# Altium PCB FC_Rev1.0.PcbDoc
Units mm, origin at the board's own origin, x right, y up, seen from the top; angles counter-clockwise.
Board outline 44 x 50 mm, 2 copper layers (Top Layer, Bottom Layer); 79 components, 75 nets, 353 pads, 164 vias.
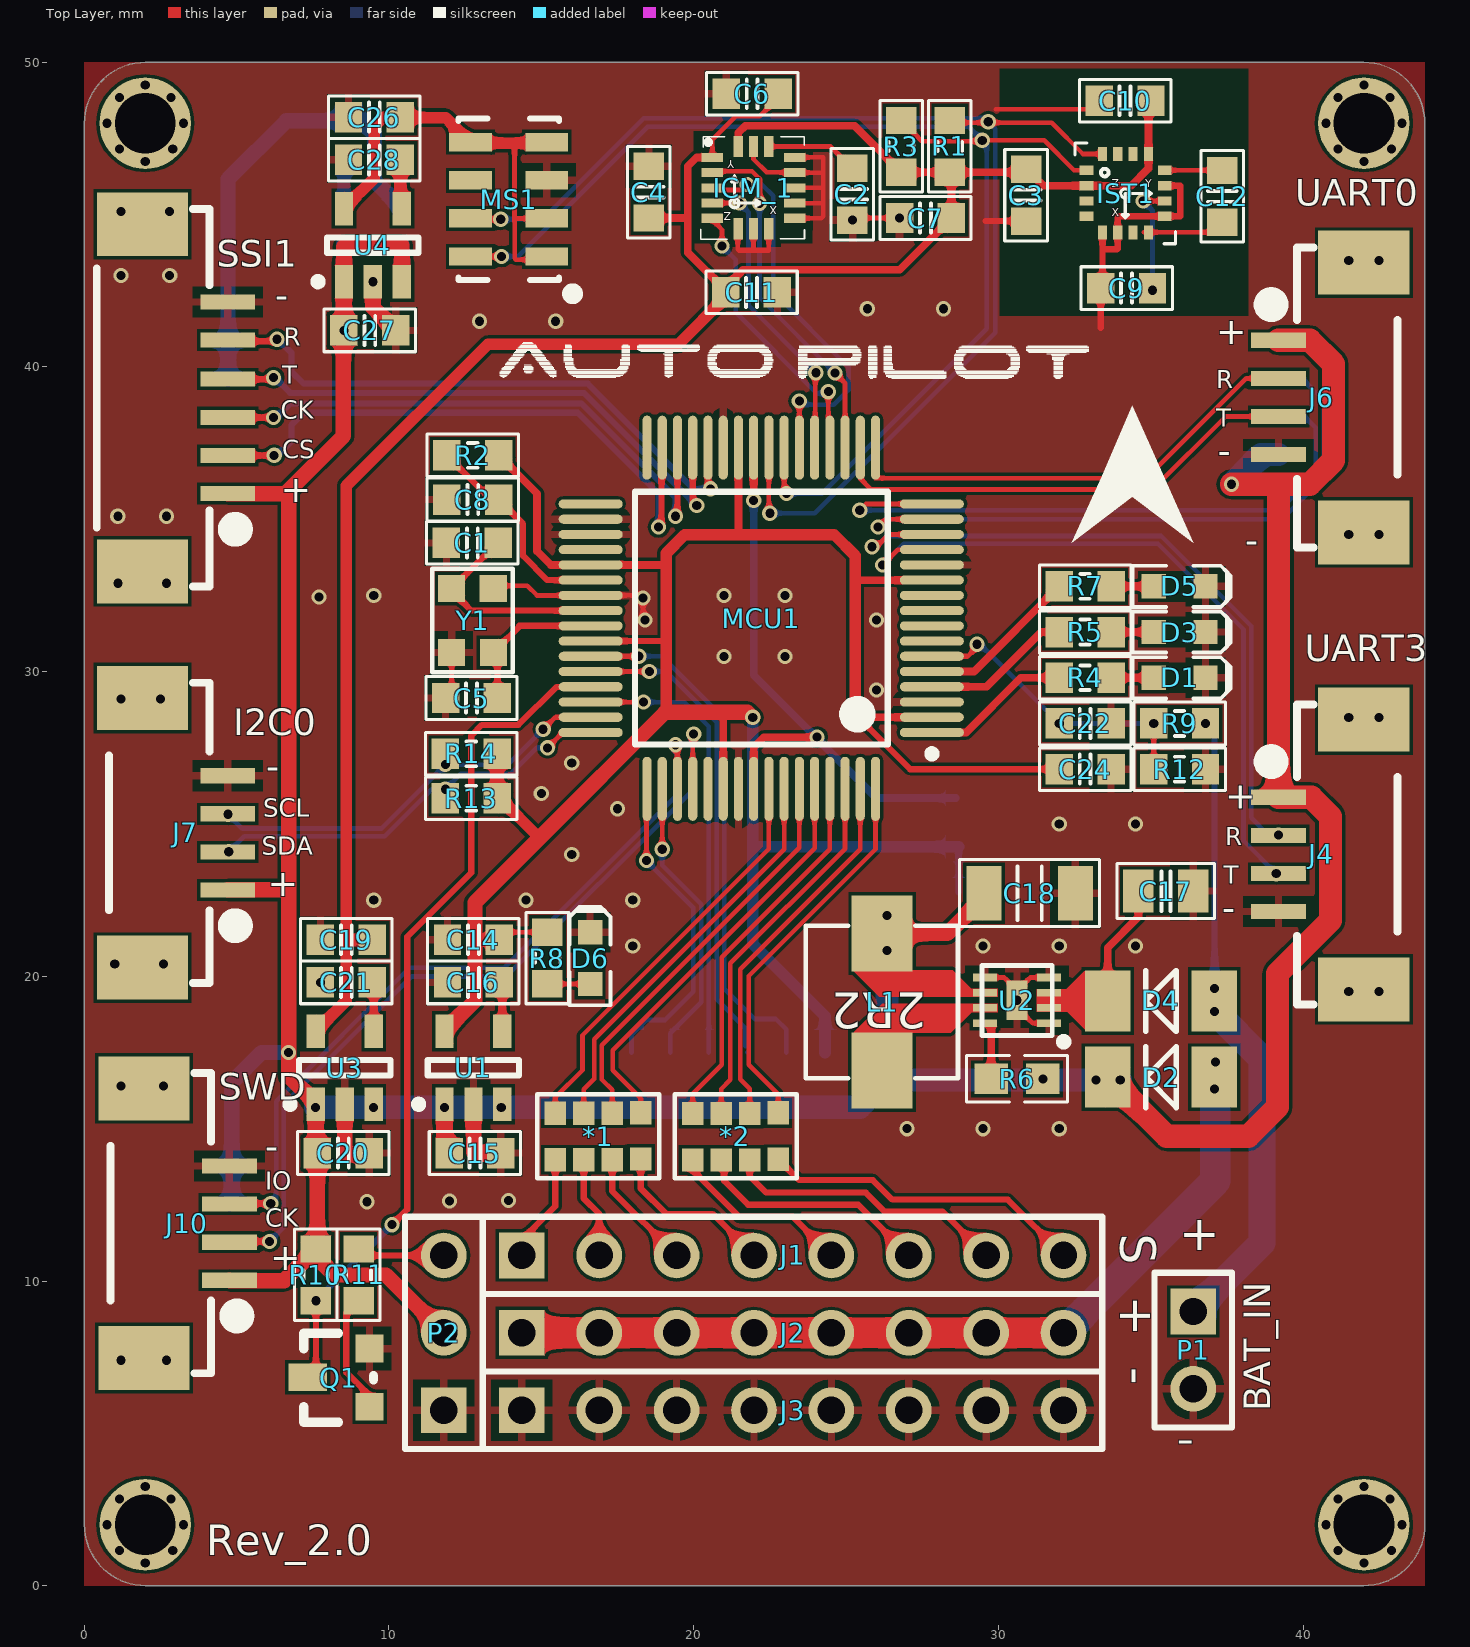
[diagram p0: Top Layer view]
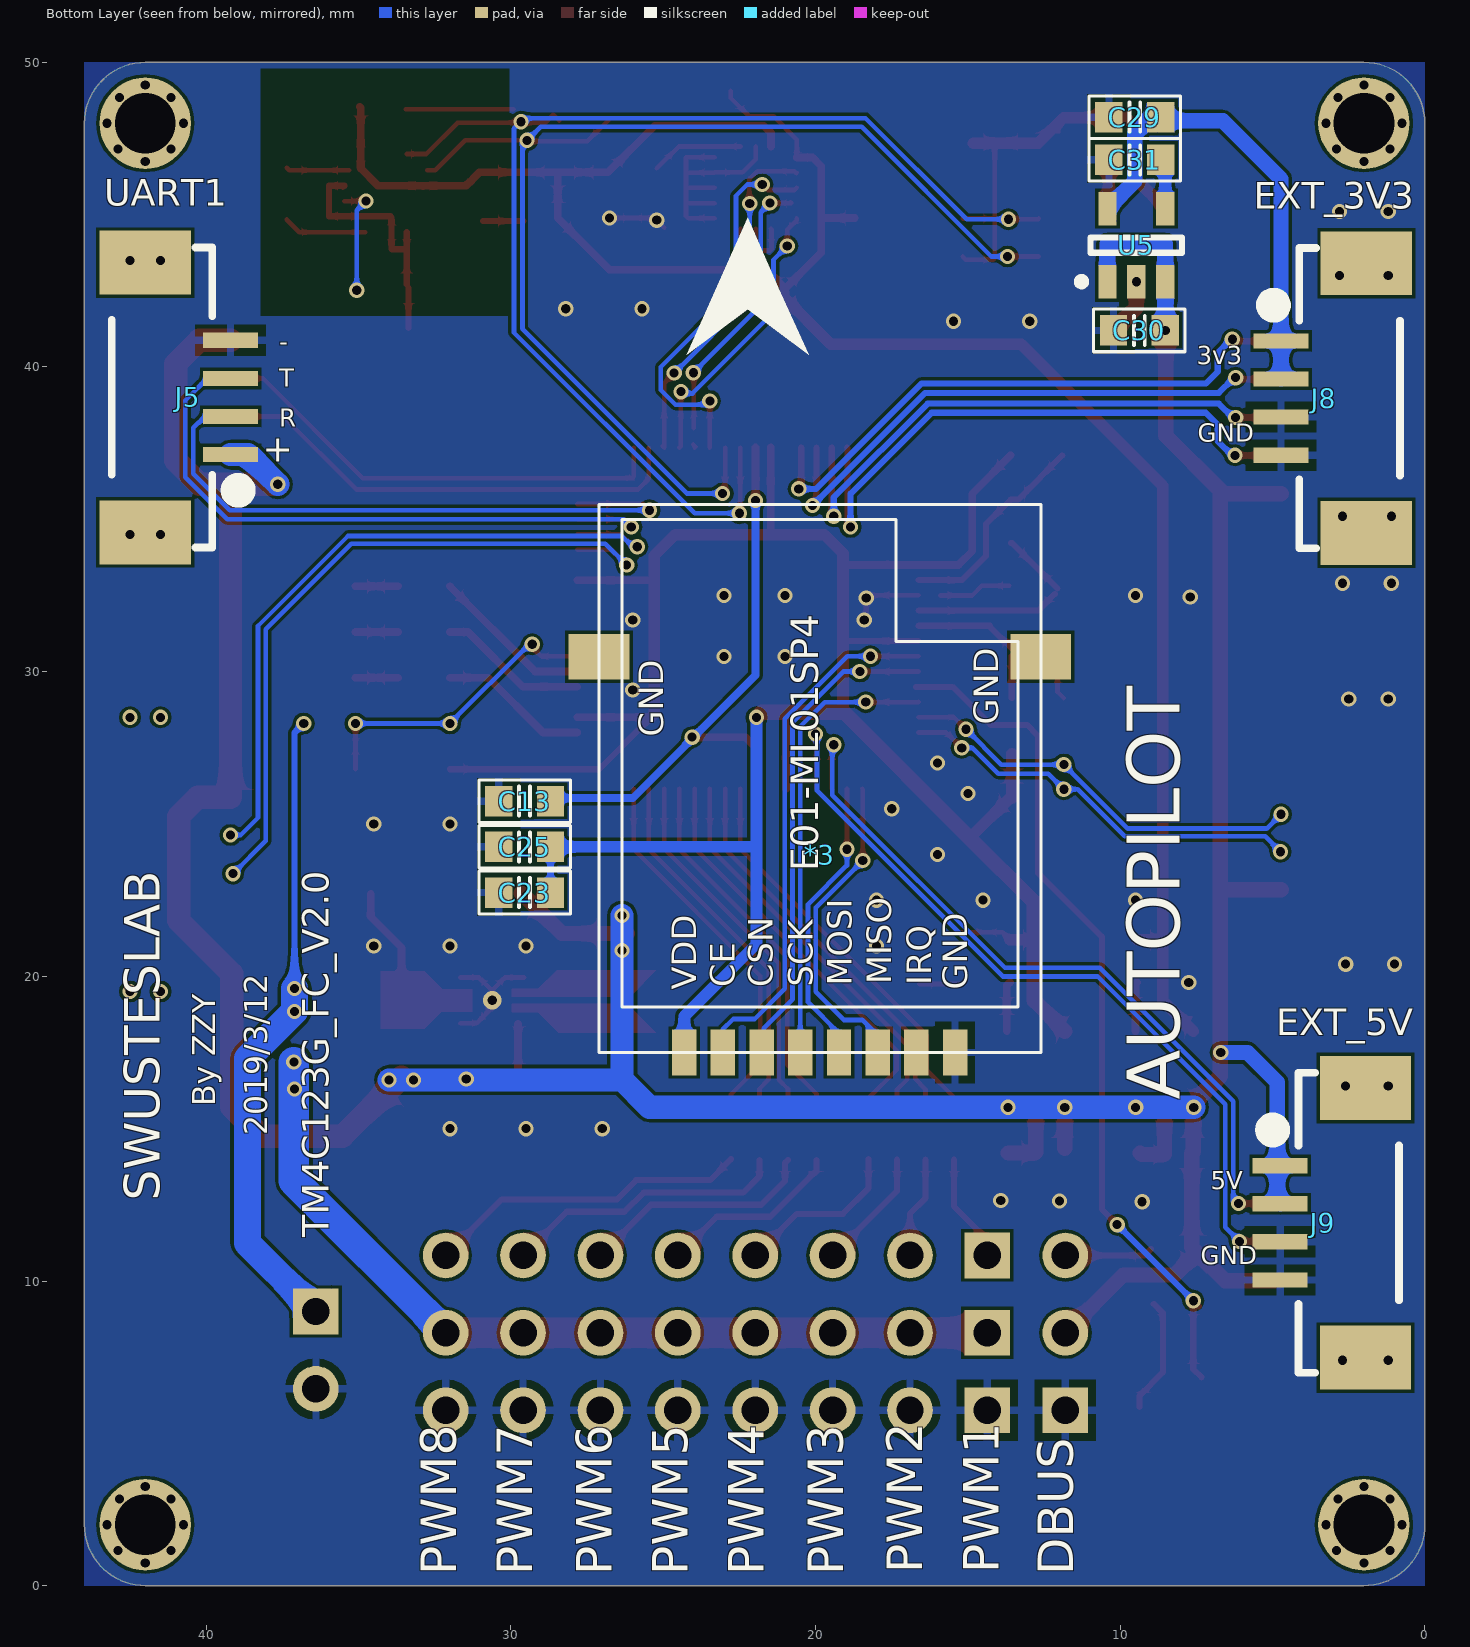
[diagram p1: Bottom Layer view, seen from below]
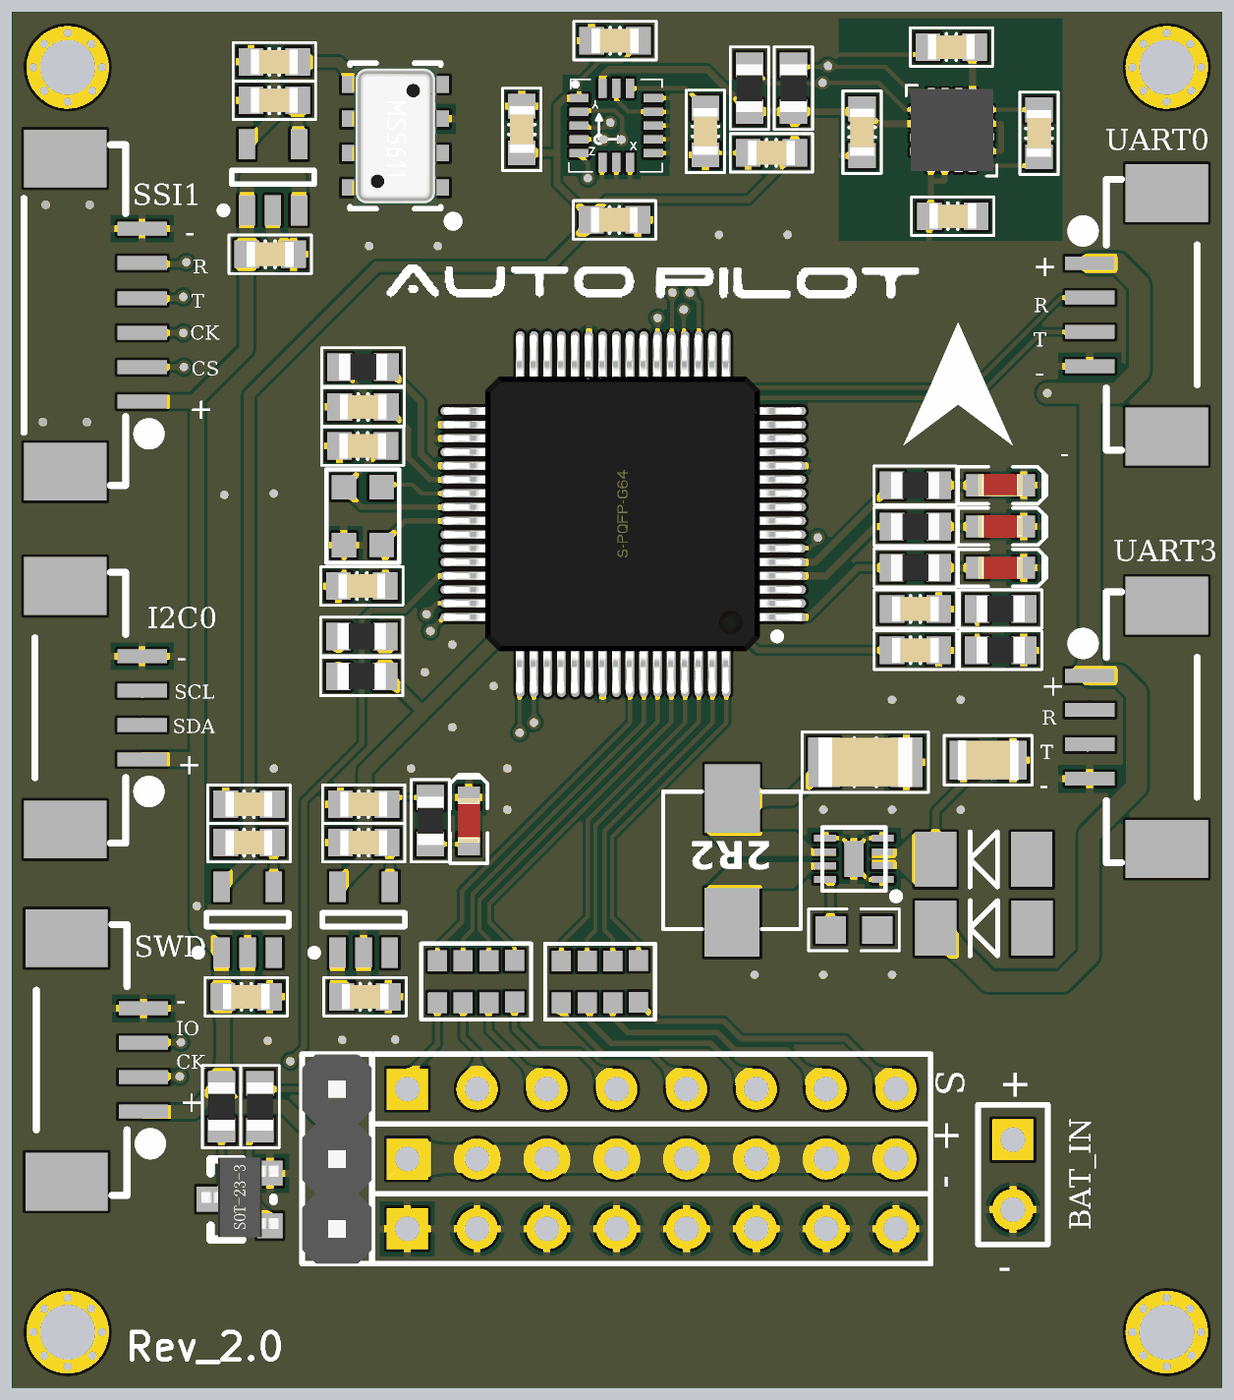
[diagram p2: 3D render of the assembled board from above, using the file's embedded part models]
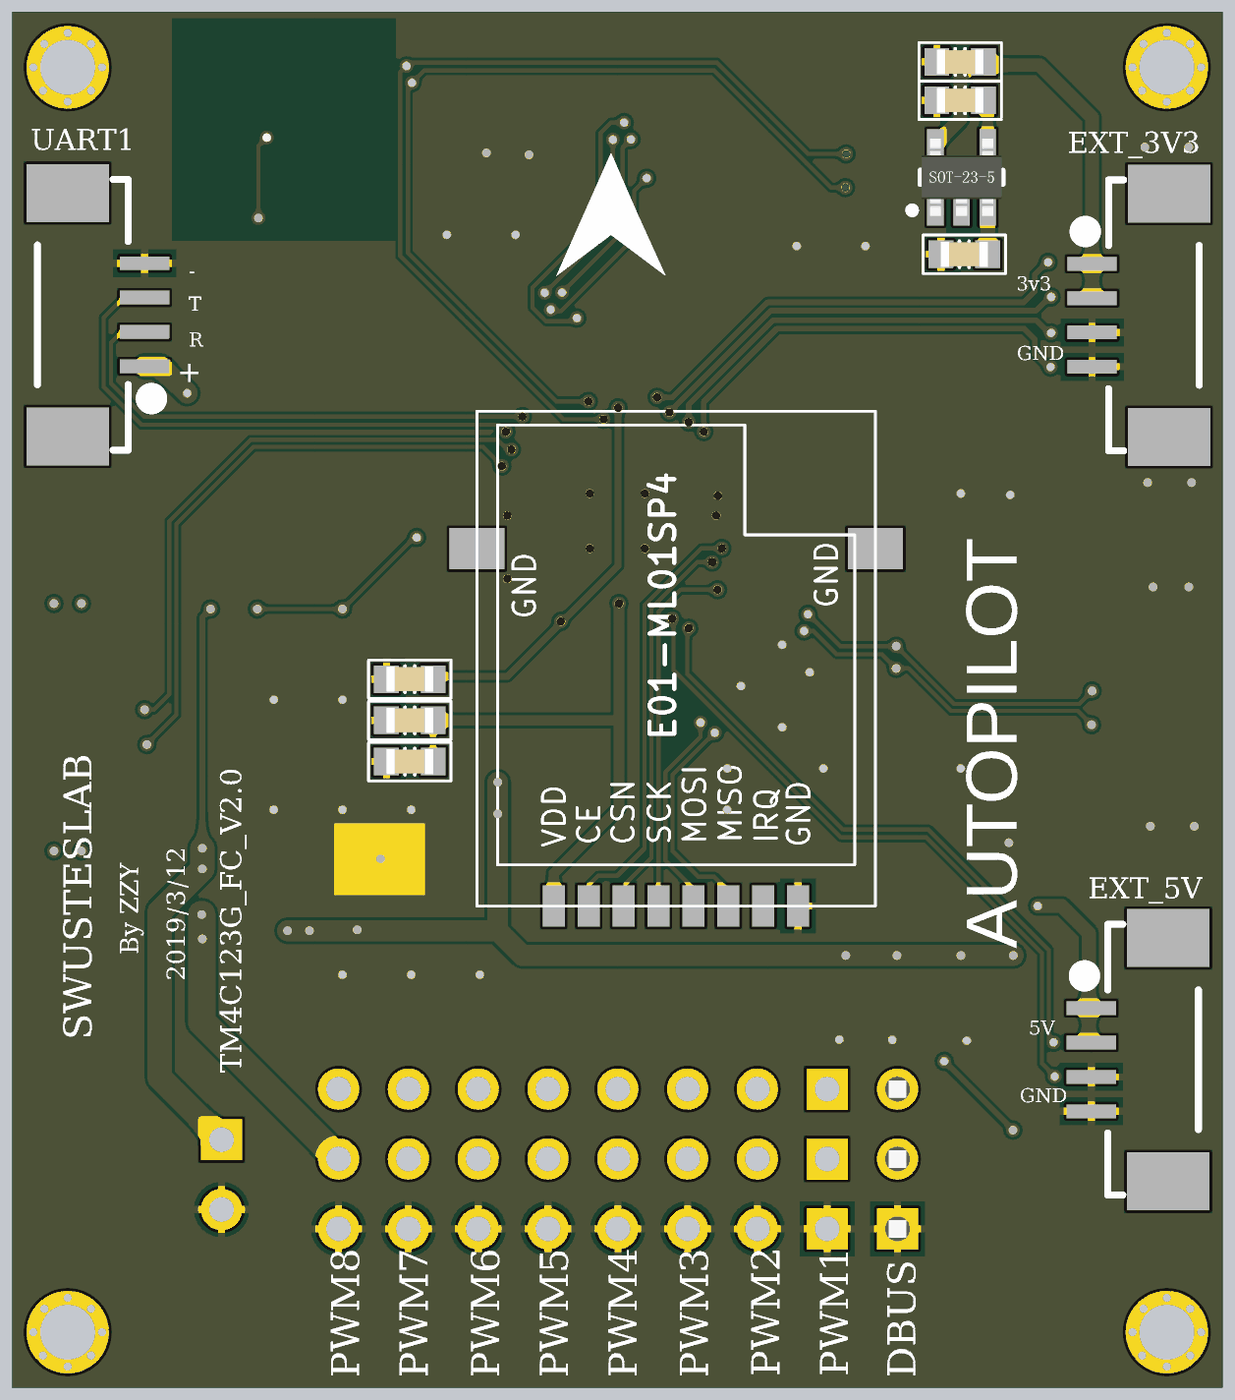
[diagram p3: 3D render of the assembled board from below, using the file's embedded part models]

## Layer stack, top to bottom
Top Solder: solder mask 0.0102, Solder Resist, Dk 3.5
Top Layer: signal copper 0.0356
Dielectric 1: dielectric 0.32, FR-4, Dk 4.8
Bottom Layer: signal copper 0.0356
Bottom Solder: solder mask 0.0102, Solder Resist, Dk 3.5

## Board outline
0,2 ccw(c2,2) 2,0 42,0 ccw(c42,2) 44,2 44,48 ccw(c42,48) 42,50 2,50 ccw(c2,48) 0,48

## Design rules (kind name [scope] priority, off if disabled: settings)
Clearance [All] p1: gap=0.102 ignorepadtopadclearanceinfootprint=FALSE except(0: Arc-Hole Track-Hole SMDPad-Hole THPad-Hole Via-Hole Fill-Hole Poly-Hole Region-Hole Text-Hole)
DiffPairsRouting [All] p1: maxlimit=0.254 minlimit=0.152 mostfreqgap=0.152 toplayer_minwidth=0.102 toplayer_maxwidth=0.381 toplayer_prefwidth=0.381 bottomlayer_minwidth=0.102 bottomlayer_maxwidth=0.381 bottomlayer_prefwidth=0.381 maxuncoupledlength=12.7
MinimumSolderMaskSliver [All] p1: minsoldermaskwidth=0
PolygonConnect PolygonConnect_1 [IsVia] p1: connectstyle=Direct reliefconductorwidth=0.254 reliefentries=4 polygonreliefangle="90 Angle" airgapwidth=0.254
PolygonConnect [All] p2: connectstyle=Relief reliefconductorwidth=0.254 reliefentries=4 polygonreliefangle="90 Angle" airgapwidth=0.254
RoutingVias [All] p1: holewidth=0.711 width=1.27 viastyle="Through Hole" minholewidth=0.711 minwidth=1.27 maxholewidth=0.711 maxwidth=1.27
SilkToSilkClearance [All] p1: silktosilkclearance=0
SilkToSolderMaskClearance [IsPad] p1: minsilkscreentomaskgap=0 clearancetoexposedcopper=TRUE
SolderMaskExpansion [All] p1: expansion=0.102
Width [All] p1: maxlimit=1.27 minlimit=0.152 preferedwidth=0.152 minimp=50.000000 maximp=50.000000 favimp=50.000000
26 further rules are at their usual default settings.

## Components (designator, comment, footprint, x,y, rotation, side; value= is the part's Value field where it differs from the comment)
*1 "0603*4" 0603*4排阻 16.793,14.857 r0 top
*2 "0603*4" 0603*4排阻 21.304,14.852 r0 top
*3 "24L01" 2.4GModule 15.667,29.104 r90 bottom
C1 "Cap_0603" CAP_0603 12.735,34.227 r180 top
C2 "Cap_0603" CAP_0603 25.21,45.67 r270 top
C3 "Cap_0603" CAP_0603 30.91,45.64 r270 top
C4 "Cap_0603" CAP_0603 18.53,45.74 r270 top
C5 "Cap_0603" CAP_0603 12.708,29.135 r180 top
C6 "Cap_0603" CAP_0603 21.92,48.97 r180 top
C7 "Cap_0603" CAP_0603 27.61,44.89 r0 top
C8 "Cap_0603" CAP_0603 12.75,35.65 r0 top
C9 "Cap_0603" CAP_0603 34.21,42.59 r0 top
C10 "Cap_0603" CAP_0603 34.16,48.74 r0 top
C11 "Cap_0603" CAP_0603 21.9,42.45 r180 top
C12 "Cap_0603" CAP_0603 37.35,45.6 r90 top
C13 "Cap_0603" CAP_0603 29.55,25.75 r180 bottom
C14 "Cap_0603" CAP_0603 12.771,21.2 r0 top
C15 "Cap_0603" CAP_0603 12.821,14.2 r180 top
C16 "Cap_0603" CAP_0603 12.771,19.8 r0 top
C17 "Cap_0603" CAP_0805 35.5,22.8 r180 top
C18 "Cap_0603" 1206-C 31.027,22.729 r180 top
C19 "Cap_0603" CAP_0603 8.6,21.2 r0 top
C20 "Cap_0603" CAP_0603 8.5,14.2 r180 top
C21 "Cap_0603" CAP_0603 8.6,19.8 r0 top
C22 "Cap_0603" CAP_0603 32.85,28.3 r180 top
C23 "Cap_0603" CAP_0603 29.55,22.75 r180 bottom
C24 "Cap_0603" CAP_0603 32.85,26.8 r180 top
C25 "Cap_0603" CAP_0603 29.55,24.25 r180 bottom
C26 "Cap_0603" CAP_0603 9.52,48.2 r0 top
C27 "Cap_0603" CAP_0603 9.37,41.2 r180 top
C28 "Cap_0603" CAP_0603 9.52,46.8 r0 top
C29 "Cap_0603" CAP_0603 9.52,48.2 r180 bottom
C30 "Cap_0603" CAP_0603 9.37,41.2 r180 bottom
C31 "Cap_0603" CAP_0603 9.52,46.8 r180 bottom
D1 "LED-0603" LED_0603_RED 35.95,29.8 r0 top
D2 "SS24" DIODE-1206 37.09,16.691 r180 top
D3 "LED-0603" LED_0603_RED 35.95,31.3 r0 top
D4 "SS24" DIODE-1206 37.087,19.192 r180 top
D5 "LED-0603" LED_0603_RED 35.95,32.8 r0 top
D6 "LED-0603" LED_0603_RED 16.6,20.6 r90 top
ICM_1 "ICM_20602" LGA16 22.01,45.95 r0 top
IST1 "IST8310" HMC5983-new 34.167,45.696 r0 top
J1 "PWM_S" HDR1X8 14.36,10.84 r0 top
J2 "PWM_BEC" HDR1X8 14.36,8.3 r0 top
J3 "PWM_GND" HDR1X8 14.36,5.76 r0 top
J4 "UART_S" SMT1.25_4P-90 42,24 r270 top
J5 "UART_S" SMT1.25_4P-90 42,39 r90 bottom
J6 "UART_S" SMT1.25_4P-90 42,39 r270 top
J7 "UART_S" SMT1.25_4P-90 1.91,24.71 r90 top
J8 "" SMT1.25_4P-90 1.92,38.98 r270 bottom
J9 "" SMT1.25_4P-90 1.95,11.91 r270 bottom
J10 "SWD" SMT1.25_4P-90 1.96,11.9 r90 top
L1 "2.2uH" 2R2_5*5 26.211,19.19 r180 top
MCU1 "TM4C123GH6PM" LQFP64 22.6,31.5 r180 top locked
MS1 "MS5611" MS5611 13.925,45.503 r180 top
P1 "BAT" HDR1X2 36.4,9 r270 top
P2 "Header 3" HDR3X1-2.54 11.8,5.76 r90 top
Q1 "MESFET-N" SOT23 8.6,6.7 r90 top
R1 "Res_0603" 0603-R#1 28.41,47.24 r270 top
R2 "100R" 0603-R#1 12.75,37.1 r0 top
R3 "Res_0603" 0603-R#1 26.81,47.24 r90 top
R4 "Res_0603" 0603-R#1 32.85,29.8 r0 top
R5 "Res_0603" 0603-R#1 32.85,31.3 r0 top
R6 "100K" 0603-R#2 30.433,16.553 r0 top
R7 "Res_0603" 0603-R#1 32.85,32.8 r0 top
R8 "Res_0603" 0603-R#1 15.2,20.6 r270 top
R9 "Res_0603" 0603-R#1 35.95,28.3 r0 top
R10 "Res_0603" 0603-R#1 7.6,10.2 r90 top
R11 "Res_0603" 0603-R#1 9,10.2 r270 top
R12 "Res_0603" 0603-R#1 35.95,26.8 r180 top
R13 "Res_0603" 0603-R#1 12.7,25.85 r0 top
R14 "Res_0603" 0603-R#1 12.7,27.3 r0 top
U1 "TPS79333" SOT23-5 12.771,17 r90 top
U2 "TPS62163" TPS62163DSG 31.663,18.463 r180 top
U3 "TPS79333" SOT23-5 8.55,17 r90 top
U4 "TPS79330" SOT23-5 9.47,44 r90 top
U5 "TPS79333" SOT23-5 9.47,44 r90 bottom
Y1 "12mhz" 3225_new 12.7,31.6 r90 top
? "Header 6" SMT1.25_6P-90 2.01,39.03 r90 top

## Footprints (in the part's own frame and the unit in brackets; to place one, negate y for a bottom-side part, rotate by r counter-clockwise, add the part's x,y. Pads: shape width x height; smd on the part's side, far side on the other; paste and mask are expansions set on the pad)
2.4GModule [mm]
  rect 1.5x0.8 smd: 1(-11.604,8.643) 2(-11.604,7.373) 3(-11.604,6.103) 4(-11.604,4.833) 5(-11.604,3.563) 6(-11.604,2.293) 7(-11.604,1.023) 8(-11.604,-0.247)
  rect 1.5x2 smd: 9(1.39,-3.06) 10(1.39,11.44)
  silkscreen extent -11.61,-3.06 6.39,11.44
2R2_5*5 [mm]
  rect 2x2.5 smd: 1(0.031,2.282) 2(0.024,-2.216)
  silkscreen extent -2.46,-2.47 2.54,2.53
0603*4排阻 [mm]
  rect 0.7x0.762 smd: 1(1.471,0.668) 2(0.535,0.649) 3(-0.401,0.649) 4(-1.337,0.649) 5(-1.337,-0.875) 6(-0.401,-0.875) 7(0.535,-0.875) 8(1.471,-0.856)
  silkscreen extent -1.92,-1.48 2.07,1.28
0603-R#1 [mm]
  rect 0.9x1 smd: 1(-0.85,0) 2(0.85,0)
  Top Layer pour cut-out: -0.4,0.6 0.4,0.6 0.4,-0.6 -0.4,-0.6
  silkscreen extent -1.5,-0.7 1.5,0.7, body extent -0.87,-0.47 0.88,0.48, height 0.54
0603-R#2 [mm]
  rect 1.1x1 smd: 1(-0.67,0.08) 2(1.03,0.08)
  silkscreen extent -1.47,-0.68 1.83,0.84, body extent -0.96,-0.3 1.32,0.46, height 1
1206-C [mm] "Chip Capacitor, Body 3.2x1.6mm, 1206, IPC Medium Density"
  rect 1.15x1.8 smd: 1(-1.5,0) 2(1.5,0)
  silkscreen extent -2.3,-1.1 2.3,1.1, body extent -1.7,-0.9 1.7,0.9, height 1.74
3225_new [mil]
  rect 35x35 smd: 1(-38.1,-28.7) 2(44.5,-28.4) 3(44.3,25.3) 4(-38.3,25.3)
  silkscreen extent -64,-54 70,51
CAP_0603 [mm]
  rect 0.9x1 smd: 1(-0.85,0) 2(0.85,0)
  Top Layer pour cut-out: -0.4,0.6 0.4,0.6 0.4,-0.6 -0.4,-0.6
  silkscreen extent -1.5,-0.7 1.5,0.7, body extent -0.85,-0.45 0.85,0.45, height 0.89
CAP_0805 [mm]
  rect 1x1.4 smd: 1(-0.9,0) 2(0.9,0)
  Top Layer pour cut-out: -0.4,0.8 0.4,0.8 0.4,-0.8 -0.4,-0.8
  silkscreen extent -1.6,-0.9 1.6,0.9, body extent -1.1,-0.72 1.1,0.73, height 1.34
DIODE-1206 [mm] "玻璃封装二极管"
  rect 1.5x2 smd: 1(0,0) 2(3.5,0)
  silkscreen extent 1.25,-1 2.25,1
HDR1X2 [mm] "Connector; Header; 2 Position"
  rect 1.5x1.5 hole 0.9: 1(0,0)
  round 1.5 hole 0.9: 2(2.54,0)
  silkscreen extent -1.27,-1.27 3.81,1.27
HDR1X8 [mm]
  rect 1.5x1.5 hole 0.9: 1(0,0)
  round 1.5 hole 0.9: 2(2.54,0) 3(5.08,0) 4(7.62,0) 5(10.16,0) 6(12.7,0) 7(15.24,0) 8(17.78,0)
  silkscreen extent -1.27,-1.27 19.05,1.27
HDR3X1-2.54 [mm] "2.54单排针排座"
  rect 1.5x1.5 hole 0.9: 1(0,0)
  round 1.5 hole 0.9: 2(2.54,0) 3(5.08,0)
  silkscreen extent -1.27,-1.27 6.35,1.27, body extent -1.27,-1.27 6.35,1.27, height 8.54
HMC5983-new [mil]
  rect 18x12 smd: 1(-50.2,30) 2(-50.2,10) 3(-50.2,-9.84) 4(-50.2,-29.53) 9(51,-29.53) 10(51,-9.84) 11(51,10) 12(51,30)
  rect 12x18 smd: 5(-29.53,-50.2) 6(-9.84,-50.2) 7(10,-50.2) 8(30,-50.2) 13(30,51) 14(10,51) 15(-9.84,51) 16(-29.53,51)
  silkscreen extent -65,-65 65,65, body extent -59,-59 61,61, height 35
LED_0603_RED [mm]
  rect 0.8x0.8 smd: 1(-0.85,0) 2(0.85,0)
  Top Layer pour cut-out: -0.5,0.5 0.5,0.5 0.5,-0.5 -0.5,-0.5
  silkscreen extent -1.55,-0.67 1.67,0.67, body extent -0.8,-0.4 0.8,0.4, height 0.75